# Altium PCB Board_Design.PcbDoc (part 3 of 3)
Units mil, origin at the board's own origin, x right, y up, seen from the top; angles counter-clockwise.
Board outline 5510 x 2520.05 mil, 4 copper layers (Top Layer, Power, Ground, Bottom Layer); 243 components, 205 nets, 933 pads, 499 vias.
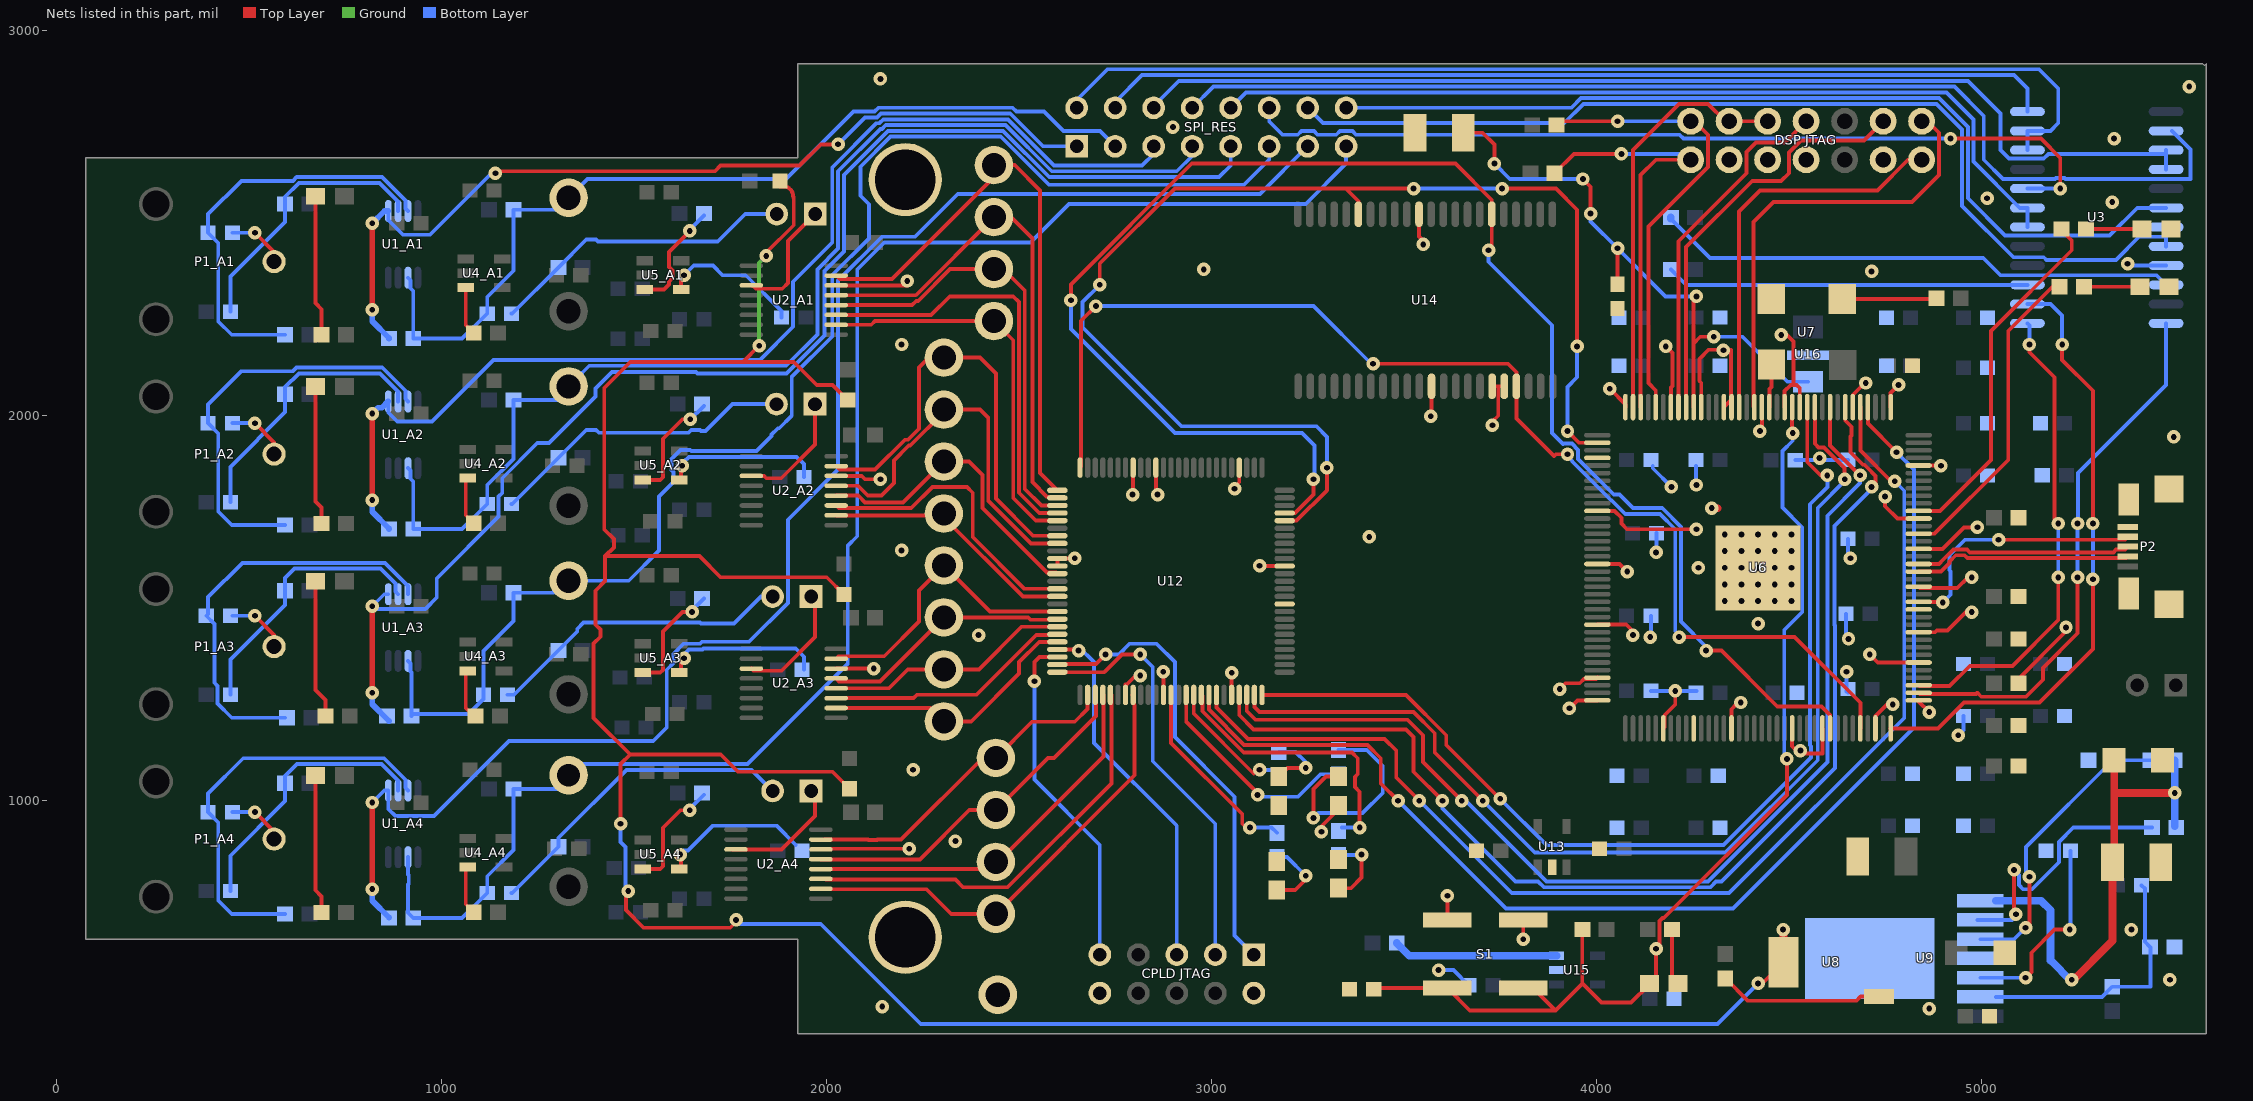
[diagram p5: the nets of this part, all layers, seen from the top]

## Via types
v1: diameter 35, hole 15, Top Layer to Bottom Layer, tented both sides, 473 vias
v2: diameter 35, hole 15, Top Layer to Bottom Layer, 25 vias
v3: diameter 35, hole 15, Top Layer to Bottom Layer, tented top, 1 vias

## Nets (pads, with @x,y where several pads share a name; then routed paths per layer and width w, separated by ;. In a path a pad name is that pad's centre, name@x,y a point inside that pad or via, vN(x,y) a via of type N, cw(c..) or ccw(c..) an arc to the next point about the centre after c; other vN are vias at no path point) (continued)
DGND: "CPLD JTAG.2" "CPLD JTAG.10" "DSP JTAG.4" "DSP JTAG.8" "DSP JTAG.10" "DSP JTAG.12" C9.2 C10.2 C11.2 C12.2 C13.2 C14.2 C15.2 C16.2 C17.2 C18.2 C19.2 C20.2 C21.2 C22.2 C23.2 C24.2 C25.2 C26.2 C27.2 C28.2 C29.2 C30.2 C31.2 C32.2 C33.2 C34.2 C35.2 C36.2 C37.2 C38.2 C39.2 C40.2 C41.2 C42.2 C43.2 C44.2 C45.2 C46.2 C47.2 C48.1 C51.2 C52.2 C53.2 C54.2 C55.2 C56.2 C57.2 C58.2 C59.2 C60.2 D2.1 D3.1 D5.1 D6.1 D7.1 D8.1 DGND.1 NT1_A1.2 NT1_A2.2 NT1_A3.2 NT1_A4.2 P2.5 P2.SHD pad.0 R21.2 R23.2 R28.1 R29.1 R30.1 R31.1 R32.1 R33.1 S1.1 S1.2 U2_A1.14 U2_A2.14 U2_A3.14 U2_A4.14 U3.9 U6.1 U6.6 U6.13 U6.15 U6.18 U6.22 U6.23 U6.26 U6.30 U6.36 U6.40 U6.47 U6.54 U6.62 U6.69 U6.72 U6.78 U6.82 U6.87 U6.95 U6.99 U6.106 U6.109 U6.114 U6.118 U6.124 U6.129 U6.133 U6.140 U6.145 U7.2 U8.5 U9.4 U9.8 U12.10 U12.11 U12.32 U12.37 U12.46 U12.60 U12.65 U12.79 U12.90 U12.93 U13.2 U14.12 U14.34 U14.39 U14.40 U15.2 U16.2 | length 13964.7
  Top Layer w10: v1(1465,940) 1465,1095 1490,1120 ; v1@1478.7,760 1478.7,716.3 1525,670 1749.79,670 v1@1766.3,686.51 ; 1784.12,2140.88 v1(1825,2181.76) ; v1(1843.57,2415) 1843.57,2423.57 1915,2495 1915,2559.37 ccw(c1879.37,2559.37) 1912.81,2571.68 ccw(c1889.49,2571.68) 1889.49,2595 NT1_A1.2@1879.37,2595 ; U2_A4.14@2000,875 v1(2215,875) ; U2_A3.14@2025.24,1343.09 v1(2122.87,1343.09) ; U2_A2.14@2025.24,1843.6 2091.61,1843.6 2100.21,1835 v1(2140,1835) ; U2_A1.14@2025.24,2338.6 v1@2210,2338.6 ; NT1_A3.2@2045,1535.84 2000.63,1580.21 1725,1580.21 1670,1635.21 1425,1635.21 ; NT1_A2.2@2055,2040.84 2015.63,2080.21 1974.79,2080.21 1915,2140 1490,2140 1422.5,2072.5 1422.5,1704.53 1447.5,1679.53 1447.5,1657.71 1425,1635.21 ; NT1_A4.2@2060,1030.84 2015.63,1075.21 1770,1075.21 1725.21,1120 1490,1120 ; U12.11@2599.72,1609.37 U12.10@2599.72,1629.06 v1@2644.06,1629.06 ; U12.32@2776.89,1274.72 2776.89,1302.5 2780.78,1302.5 2803.28,1325 v1(2815,1325) ; v1@2796.57,1796.57 U12.93@2796.57,1865.28 ; v1@2855.63,1800.63 U12.90@2855.63,1865.28 ; U12.37@2875.32,1274.72 v1@2875.32,1339.68 ; U12.46@3052.48,1274.72 v1(3052.48,1332.52) ; v1(3060,1810) 3060,1815 3072.17,1827.17 U12.79@3072.17,1865.28 ; v1@3125.63,1609.37 U12.65@3190.28,1609.37 ; v1(3285.78,919.22) 3285.78,921.79 3280,927.57 3330,977.57 D7.1@3330,987.6 ; U14.12@3539.25,2523.5 3539.25,2465.75 3550,2455 v1(3550,2445) ; v1(3570,1998.43) 3571.75,2000.18 U14.34@3571.75,2076.5 ; S1.2@3613.15,690.21 v1(3613.15,753.15) ; U14.39@3729.23,2076.5 3745,2076.5 ; v1(3730,1975) 3730,1985 3745,2000 3745,2076.5 ; U14.40@3760.72,2076.5 3745,2076.5 ; v1(3810,640.21) S1.1@3810,690.21 ; v1(3905,1290) 3920,1305 3956.76,1305 3967.55,1315.79 3998.9,1315.79 U6.69@4002.68,1319.57 ; v1(3930,1240) 3950.51,1260.51 U6.72@4002.68,1260.51 ; U6.62@4002.68,1457.36 4077.64,1457.36 4095,1440 v1(4095,1430) ; U6.54@4002.68,1614.84 4060.16,1614.84 v1(4080,1595) ; U6.47@4002.68,1752.64 4047.36,1752.64 4065,1735 4065,1720 4080,1705 v1(4260,1705) ; v1(4035,2070) 4075.51,2029.49 U6.36@4075.51,2022.32 ; U6.78@4173.94,1187.68 4177.72,1191.46 4177.72,1222.81 4205,1250.09 v1(4205,1285) ; v1(4180,2180) 4197.5,2162.5 4197.5,2077.5 4193.62,2073.62 U6.30@4193.62,2022.32 ; U6.26@4272.36,2022.32 4272.36,2085.82 4267.5,2090.68 4267.5,2147.5 4291.42,2171.42 4350,2171.42 4350,2040.91 U6.23@4331.42,2022.32 ; U6.87@4351.1,1187.68 4351.1,1237.5 v1@4363.05,1249.45 ; v1(4420,525.21) 4430.98,525.21 U8.5@4485.98,580.21 ; v1@4429.84,1975.16 U6.18@4429.84,2022.32 ; v1(4480,2210) 4495,2210 4512.5,2192.5 4512.5,2080 ; U6.15@4488.9,2022.32 4488.9,2063.9 4505,2080 4512.5,2080 ; U6.95@4508.58,1187.68 4508.58,1141.42 4527.68,1122.32 4587.32,1122.32 U6.99@4587.32,1187.68 ; U6.13@4528.27,2022.32 4528.27,2071.73 4520,2080 4512.5,2080 ; U6.6@4666.06,2022.32 4666.06,2053.92 v1@4695.76,2083.62 ; v1(4710,1380) 4731.06,1358.94 U6.114@4837.32,1358.94 ; U6.106@4725.12,1187.68 4725.12,1220.12 4755,1250 v1(4770,1250) ; v1(4750,1790) 4750,1765 4782.05,1732.95 U6.133@4837.32,1732.95 ; U6.1@4764.49,2022.32 4764.49,2059.49 v1(4785,2080) ; U6.109@4837.32,1260.51 4837.32,1257.68 v1(4865,1230) ; U6.118@4837.32,1437.68 4880.25,1437.68 4884.94,1442.36 4912.26,1442.36 4959.9,1490 v1(4975,1490) ; U6.124@4837.32,1555.79 4840.61,1552.5 4937.5,1552.5 4965,1580 v1(4975,1580) ; U6.129@4837.32,1654.21 4899.21,1654.21 4955,1710 v1(4990,1710) ; U6.140@4837.32,1870.75 v1@4895.75,1870.75 ; R30.1@5096.5,1305 5096.5,1316.5 5220,1440 v1(5220,1450) ; 1425,1635.21 1425,1570.21 1400,1545.21 1400,1457.03 1412.5,1444.53 1412.5,1425.89 1395,1408.39 1395,1215 1490,1120
  Top Layer w20: v1(4300,1760) v1@4315,1760 ; U8.5@4485.98,580.21 v1@4485.98,665.21
  Ground w10: v1(1825,2181.76) 1825,2396.43 v1(1843.57,2415)
  Ground w20: v2(4333.39,1561.69) v2(4376.69,1561.69) ; v2(4333.39,1605) v2(4376.69,1605) ; v2(4333.39,1648.31) v2(4376.69,1648.31) ; v2(4376.69,1518.39) v2(4376.69,1561.69) ; v2(4376.69,1691.61) v2(4376.69,1648.31) ; v2(4420,1518.39) v2(4420,1561.69) ; v2(4420,1605) v2(4376.69,1605) ; v2(4420,1691.61) v2(4420,1648.31) ; v2(4463.31,1518.39) v2(4463.31,1561.69) ; v2(4463.31,1691.61) v2(4463.31,1648.31) ; v2(4506.61,1561.69) v2(4463.31,1561.69) ; v2(4506.61,1605) v2(4463.31,1605) v2(4463.31,1648.31) ; v2(4506.61,1648.31) v2(4463.31,1648.31) ; v2(4376.69,1561.69) v2(4376.69,1605) ; v2(4376.69,1561.69) v2(4420,1561.69) ; v2(4376.69,1605) v2(4376.69,1648.31) ; v2(4376.69,1648.31) v2(4420,1648.31) ; v2(4420,1561.69) v2(4463.31,1561.69) ; v2(4420,1648.31) v2(4463.31,1648.31)
  Bottom Layer w10: v1(1465,940) 1465,892.5 1478.19,879.31 1478.19,763.19 1480,765 v1(1485,765) ; v1@1766.3,686.51 1772.81,680 1985,680 2244.79,420.21 4315,420.21 v1(4420,525.21) ; v1@1843.57,2413.57 v1(1843.57,2415) ; v1(3590,560) 3628.5,560 C57.2@3668.5,520 ; C20.2@4141.5,1285.21 C21.2@4260,1285.21 ; v1@4141.5,1426.5 C19.2@4141.5,1480.21 ; C17.2@4146.5,1870 4146.5,1863.5 v1(4195,1815) ; v1@4156.5,1646.5 C18.2@4156.5,1695.21 ; v1@4258.5,1821.5 C16.2@4258.5,1870 ; C12.2@4516.5,1884.79 v1@4585,1884.79 ; v1@4575.21,1884.79 4580,1880 4580,1880.21 4585,1885.21 C11.2@4653.5,1885.21 ; C14.2@4648.5,1485.21 4648.5,1426.5 v1(4655,1420) ; v1(4650,1335) 4650,1283.72 C15.2@4653.5,1280.21 ; C13.2@4653.5,1680.21 4653.5,1636.5 v1(4660,1630) ; v1(4940,1170) 4953.5,1183.5 C28.2@4953.5,1220 ; v1@5385,2390 U3.9@5480.12,2390
  other v1: 4865,460 2145,465 5490,535 4485,665.21 5390,665 1765,690 2335,895 2225,1080 4530,1130 4375,1255 2875,1335 4140,1425 2395,1430 4420,1460 4265,1605 3125,1610 2645,1630 4155,1645 2195,1650 3410,1685 2795,1795 2860,1795 4260,1820 4895,1870 4580,1890 5500,1945 4425,1960 4700,2085 4330,2170 2195,2185 2210,2350 4715,2375 2980,2380 5380,2395 5340,2555 5015,2565 5345,2720 2900,2750 5540,2855 2140,2875
  other v2: 4333.39,1518.39 4506.61,1518.39 4333.39,1691.61 4506.61,1691.61
DSP_CLK: U6.17 U7.3 | length 112.9
  Top Layer w10: U6.17@4449.53,2022.32 4449.53,2069.53 4455,2075 U7.3@4455,2133
DSP_CTRL1: U6.12 U12.50 | length 2657.6
  Top Layer w10: U12.50@3131.22,1274.72 3505.28,1274.72 3610,1170 3610,1145 v1(3750,1005) ; U6.12@4547.95,2022.32 4547.95,1880.01 4582.97,1845 v1(4600,1845)
  Bottom Layer w10: v1(3750,1005) 3870,885 4330,885 4557.5,1112.5 4557.5,1141.39 4555,1143.89 4555,1770 4600,1815 v1(4600,1845)
DSP_CTRL2: U6.11 U12.49 | length 2766.7
  Top Layer w10: U12.49@3111.54,1274.72 3111.54,1243.46 3125,1230 3525,1230 3580,1175 3580,1125 v1(3705,1000) ; U6.11@4567.64,2022.32 4567.64,1927.36 4577.5,1917.5 4591.39,1917.5 4645,1863.89 v1(4645,1835)
  Bottom Layer w10: v1(3705,1000) 3840,865 4335,865 4575,1105 4575,1760 4645,1830 v1(4645,1835)
DSP_CTRL3: U6.9 U12.48 | length 2892.8
  Top Layer w10: U12.48@3091.85,1274.72 3091.85,1233.15 3115,1210 3510,1210 3550,1170 3550,1100 v1(3650,1000) ; U6.9@4607.01,2022.32 4607.01,1923.1 v1(4685,1845.1)
  Bottom Layer w10: v1(3650,1000) 3660.39,1000 3822.15,838.24 3822.15,837.85 3870,790 4290,790 4600,1100 4600,1740 4685,1825 v1(4685,1845.1)
DSP_CTRL4: U6.7 U12.47 | length 3004.9
  Top Layer w10: U12.47@3072.17,1274.72 3072.17,1222.17 3109.33,1185 3505,1185 3525,1165 3525,1075 v1(3600,1000) v1@3605,995 ; U6.7@4646.38,2022.32 4646.38,1987.5 4662.5,1971.39 4662.5,1948.61 4660,1946.11 4660,1905 4692.4,1872.6 4696.39,1872.6 4715.93,1853.06 4715.93,1852.4 4725,1843.33 4725,1823.99 4716.01,1815 v1(4715,1815)
  Bottom Layer w10: v1(3600,1000) 3600,980 3790,790 3848.79,790 3863.79,775 4296.21,775 4311.21,790 4325,790 4620,1085 4620,1455.33 4618.82,1456.51 4618.82,1713.82 4715,1810 v1(4715,1815)
DSP_CTRL5: U6.5 U12.44 | length 3113.4
  Top Layer w10: U12.44@3013.11,1274.72 3013.11,1241.89 3095,1160 3450,1160 3480,1130 3480,1060 v1(3540,1000) v1@3545,995 ; U6.5@4685.75,2022.32 4685.75,1909.25 v1@4770,1825
  Bottom Layer w10: v1(3540,1000) 3780,760 4345,760 4800,1215 4800,1805 v1(4775,1830)
DSP_CTRL6: U6.4 U12.43 | length 3198.3
  Top Layer w10: U12.43@2993.43,1274.72 2993.43,1236.57 3085,1145 3405,1145 3440,1110 3440,1045 v1(3485,1000) ; U6.4@4705.43,2022.32 4705.43,1979.57 v1(4780,1905)
  Bottom Layer w10: v1(3485,1000) 3765,720 4355,720 4825,1190 4825,1860 v1(4780,1905)
E\M\_\0\E\: U6.104 U12.100 U14.41 | length 3150.8
  Top Layer w10: U12.100@2658.78,1865.28 2661.57,1868.07 2661.57,2246.57 v1(2700,2285) ; v1(3420,2135) 3770,2135 3792.22,2112.78 U14.41@3792.22,2076.5 3792.22,1992.78 3890,1895 3895,1900 v1(3925,1900) ; v1(4215,1425) 4515,1425 4685.75,1254.25 U6.104@4685.75,1187.68
  Bottom Layer w10: v1(2700,2285) 3265,2285 3415,2135 v1(3420,2135) ; v1(3925,1900) 3925,1895 3937.5,1882.5 3937.5,1881.29 4038.79,1780 4040,1780 4075,1745 4165,1745 4205,1705 4205,1440 v1@4217.5,1427.5
E\M\_\C\S\2\: U6.100 U12.72 U14.6 | length 4258.5
  Top Layer w10: v1(2635,2300) 2635,2341.21 2948.79,2655 3633.94,2655 3728.23,2560.71 U14.6@3728.23,2523.5 v1@3728.23,2430 ; U12.72@3190.28,1747.17 3217.17,1747.17 3265,1795 v1(3265,1835) ; v1(4285,1390) 4325,1390 4470,1245 4585,1245 4607.01,1222.99 U6.100@4607.01,1187.68
  Bottom Layer w10: v1(2635,2300) 2635,2225 2905,1955 3235,1955 3267.5,1922.5 3267.5,1837.5 v1(3265,1835) ; v1(3720,2430) 3720,2400 3885,2235 3885,1955 3913.05,1926.95 3913.61,1927.5 3936.39,1927.5 3952.5,1911.39 3952.5,1887.5 4045,1795 4060,1795 4095,1760 4171.21,1760 4220,1711.21 4220,1465 4285,1400 v1(4285,1390)
E\M\_\W\E\: U6.38 U12.71 U14.17 | length 3317
  Top Layer w10: v1(2710,2340) 2710,2395 2905,2590 3348.94,2590 ; U12.71@3190.28,1727.48 3221.27,1727.48 3300,1806.21 v1(3300,1865) ; U14.17@3381.77,2523.5 3381.77,2557.17 3348.94,2590 ; v1(3525,2590) 3348.94,2590 ; v1(3755,2590) 3895,2590 3950,2535 v1(3950,2180) ; v1(3925,1960) 3955.2,1929.8 U6.38@4002.68,1929.8
  Bottom Layer w10: v1(2710,2340) 2665,2295 2665,2230 2922.5,1972.5 3272.5,1972.5 3300,1945 v1(3300,1865) ; v1(3525,2590) v1(3755,2590) ; v1(3925,1960) 3925,2075 3950,2100 v1(3950,2180)
E\N\A\_\T\B\: U6.121
EMU0: "DSP JTAG.13" R25.2 U6.32 | length 1192
  Top Layer w10: R25.2@3896.5,2755 3906.5,2765 v1(4055,2765) ; U6.32@4154.25,2022.32 4154.25,2065.75 4135,2085 4135,2491.36 4290,2646.36 4290,2730 4255,2765 4245,2765
  Bottom Layer w10: v1(4055,2765) 4245,2765
EMU1: "DSP JTAG.14" R26.1 U6.34 | length 1129.7
  Top Layer w10: R26.1@3891.5,2630 3941.5,2680 v1(4065,2680) ; U6.34@4114.88,2022.32 4115,2022.44 4115,2625 4155,2665 4245,2665
  Bottom Layer w10: v1(4065,2680) 4230,2680 4245,2665
EOC_1: U2_A1.11 U12.4 | length 1117.5
  Top Layer w10: U2_A1.11@2025.24,2261.83 2271.83,2261.83 2320,2310 2485,2310 2500,2295 2500,1800 2552.83,1747.17 U12.4@2599.72,1747.17
EOC_2: U2_A2.11 U12.14 | length 777.1
  Top Layer w10: U2_A2.11@2025.24,1766.83 2032.06,1760 2220,1760 2275,1815 2365,1815 2380,1800 2380,1685 2514.68,1550.32 U12.14@2599.72,1550.32
EOC_3: U2_A3.11 U12.20 | length 642.3
  Top Layer w10: U2_A3.11@2025.24,1266.32 2226.32,1266.32 2235,1275 2390,1275 2545,1430 U12.20@2599.72,1430
EOC_4: U2_A4.11 U12.30 | length 1091
  Top Layer w10: U2_A4.11@1998.85,795 2335,795 2355,775 2470,775 2740,1045 U12.30@2740,1274.72
NetC2_A1_1: 
NetC2_A1_2: C2_A1.2 R1_A1.2 U1_A1.2 | length 711.1
  Bottom Layer w10: C2_A1.2@451.5,2270.21 451.5,2361.71 593.5,2503.72 R1_A1.2@593.5,2550.21 593.5,2568.72 629.79,2605 839.17,2605 887.2,2556.97 U1_A1.2@887.2,2531.83
NetC2_A2_1: 
NetC2_A2_2: C2_A2.2 R1_A2.2 U1_A2.2 | length 710.7
  Bottom Layer w10: C2_A2.2@451.5,1775.73 451.5,1867.22 593.5,2009.23 R1_A2.2@593.5,2055.73 593.5,2074.23 629.27,2110 839.69,2110 887.2,2062.48 U1_A2.2@887.2,2037.34
NetC2_A3_1: 
NetC2_A3_2: C2_A3.2 R1_A3.2 U1_A3.2 | length 705.6
  Bottom Layer w10: C2_A3.2@451.5,1275.21 451.5,1366.5 593.5,1508.5 R1_A3.2@593.5,1545.21 593.5,1578.72 617.5,1602.71 841.57,1602.71 880.47,1563.81 880.47,1543.05 U1_A3.2@887.2,1536.32
NetC2_A4_1: 
NetC2_A4_2: C2_A4.2 R1_A4.2 U1_A4.2 | length 706.9
  Bottom Layer w10: C2_A4.2@451.5,765.21 451.5,856.71 593.5,998.72 R1_A4.2@593.5,1045.21 593.5,1063.72 624.79,1095 844.17,1095 887.2,1051.97 U1_A4.2@887.2,1026.83
NetC3_A1_1: C3_A1.1 P1_A1.1 | length 154.2
  Top Layer w10: v1(515,2475.21) 565,2425.21 P1_A1.1@565,2400.21
  Bottom Layer w10: C3_A1.1@456.5,2475.21 v1(515,2475.21)
NetC3_A1_2: C3_A1.2 R2_A1.1 U1_A1.3 | length 1085.3
  Bottom Layer w10: R2_A1.1@593.5,2210.21 455,2210.21 420,2245.21 420,2448.72 C3_A1.2@393.5,2475.21 393.5,2523.72 480,2610.21 613.79,2610.21 623.57,2620 845.39,2620 906.06,2559.32 906.06,2538.56 U1_A1.3@912.8,2531.83
NetC3_A2_1: C3_A2.1 P1_A2.1 | length 154.2
  Top Layer w10: v1(515,1980.73) 565,1930.73 P1_A2.1@565,1905.73
  Bottom Layer w10: C3_A2.1@456.5,1980.73 v1(515,1980.73)
NetC3_A2_2: C3_A2.2 R2_A2.1 U1_A2.3 | length 1084.9
  Bottom Layer w10: R2_A2.1@593.5,1715.73 455,1715.73 420,1750.73 420,1954.23 C3_A2.2@393.5,1980.73 393.5,2029.23 480,2115.73 613.79,2115.73 623.06,2125 845.9,2125 906.06,2064.84 906.06,2044.07 U1_A2.3@912.8,2037.34
NetC3_A3_1: C3_A3.1 P1_A3.1 | length 159.2
  Top Layer w10: v1(515,1480.21) 565,1430.21 P1_A3.1@565,1400.21
  Bottom Layer w10: C3_A3.1@456.5,1480.21 v1(515,1480.21)
NetC3_A3_2: C3_A3.2 R2_A3.1 U1_A3.3 | length 1084.1
  Bottom Layer w10: R2_A3.1@593.5,1215.21 455,1215.21 418.02,1252.2 418.19,1252.37 418.19,1298.06 410,1306.25 410,1458.72 C3_A3.2@388.5,1480.21 393.5,1485.21 393.5,1528.72 482.5,1617.71 852.67,1617.71 912.8,1557.59 U1_A3.3@912.8,1536.32
NetC3_A4_1: C3_A4.1 P1_A4.1 | length 154.2
  Top Layer w10: v1(515,970.21) 565,920.21 P1_A4.1@565,895.21
  Bottom Layer w10: C3_A4.1@456.5,970.21 v1(515,970.21)
NetC3_A4_2: C3_A4.2 R2_A4.1 U1_A4.3 | length 1081.2
  Bottom Layer w10: R2_A4.1@593.5,705.21 455,705.21 420,740.21 420,943.72 C3_A4.2@393.5,970.21 393.5,1018.72 484.79,1110 850.39,1110 906.06,1054.32 906.06,1033.56 U1_A4.3@912.8,1026.83
NetC4_A1_2: C4_A1.2 HP_A1.2 R3_A1.2 | length 800.7
  Bottom Layer w10: C4_A1.2@1181.5,2265.21 1183.5,2265.21 R3_A1.2@1303.5,2385.21 1376,2457.71 1401.39,2457.71 1406.6,2452.5 1717.5,2452.5 1788.9,2523.9 HP_A1.2@1870.73,2523.9
NetC4_A2_2: C4_A2.2 HP_A2.2 R3_A2.2 | length 794.5
  Bottom Layer w10: C4_A2.2@1181.5,1770.73 1183.5,1770.73 R3_A2.2@1303.5,1890.73 1376,1963.23 1401.39,1963.23 1408.89,1955.73 1641.11,1955.73 1648.61,1963.23 1671.39,1963.23 1673.89,1960.73 1685.73,1960.73 1755.73,2030.73 HP_A2.2@1860,2030.73
NetC4_A3_2: C4_A3.2 HP_A3.2 R3_A3.2 | length 800.4
  Bottom Layer w10: C4_A3.2@1171.5,1275.21 1188.5,1275.21 1352.5,1439.21 1352.5,1446.39 1368.61,1462.5 1648.4,1462.5 1648.61,1462.71 1671.39,1462.71 1673.89,1460.21 1760,1460.21 1830,1530.21 HP_A3.2@1860,1530.21
NetC4_A4_2: C4_A4.2 HP_A4.2 R3_A4.2 | length 847.3
  Bottom Layer w10: C4_A4.2@1181.5,760.21 1183.5,760.21 R3_A4.2@1303.5,880.21 1303.5,903.5 1480,1080 1805.21,1080 HP_A4.2@1860,1025.21
NetC8_A1_2: C8_A1.2 U5_A1.4 | length 368.8
  Top Layer w10: U5_A1.4@1622.24,2327.81 1622.24,2362.46 1624.79,2365 v1(1630,2365)
  Bottom Layer w10: v1@1630,2375.21 1640.21,2375.21 1655.21,2390.21 1705,2390.21 1730.21,2365 1790.21,2365 1883.5,2271.71 C8_A1.2@1883.5,2255.21
NetC8_A2_2: C8_A2.2 U5_A2.4 | length 396.3
  Top Layer w10: U5_A2.4@1622.24,1833.32 1622.24,1867.97 1624.27,1870 v1(1625,1870)
  Bottom Layer w10: v1@1630,1880.73 1642.5,1893.23 1922.5,1893.23 1941.5,1874.23 C8_A2.2@1941.5,1840.73
NetC8_A3_2: C8_A3.2 U5_A3.4 | length 403.6
  Top Layer w10: U5_A3.4@1622.24,1332.81 1622.24,1367.46 1624.79,1370 v1(1630,1370)
  Bottom Layer w10: v1@1630,1380.21 1642.5,1392.71 1677.6,1392.71 1680.1,1395.21 1920,1395.21 1941.5,1373.72 C8_A3.2@1941.5,1340.21
NetC8_A4_2: C8_A4.2 U5_A4.4 | length 389.8
  Top Layer w10: v1(1620,860) 1622.24,857.76 U5_A4.4@1622.24,822.81
  Bottom Layer w10: v1(1620,860) 1630.21,870.21 1640.21,870.21 1705,935 1870.21,935 C8_A4.2@1920,885.21
NetC48_2: C48.2 U9.5 | length 519.1
  Top Layer w10: v1(5115,540) 5130,555 5130,605 5190,665 v1(5230,665)
  Bottom Layer w10: U9.5@4997.6,540 v1(5115,540) ; v1(5230,665) 5231.5,666.5 C48.2@5231.5,870
NetC49_1: C49.1 R22.2 R23.1 U9.6 | length 686.6
  Bottom Layer w10: U9.6@5037.6,490 5313.5,490 R22.2@5340,516.5 5440,516.5 5440,618.5 R23.1@5438.5,620 5425,633.5 5425,771.5 C49.1@5416.5,780
NetD1_A1_2: D1_A1.2 R7_A1.2 | length 366.6
  Top Layer w10: D1_A1.2@672.6,2570.21 672.6,2292.62 688.5,2276.71 R7_A1.2@688.5,2210.21
NetD1_A2_2: D1_A2.2 R7_A2.2 | length 362.1
  Top Layer w10: D1_A2.2@672.6,2075.73 672.6,1777.62 688.5,1761.71 R7_A2.2@688.5,1720.21
NetD1_A3_2: D1_A3.2 R7_A3.2 | length 360.7
  Top Layer w10: D1_A3.2@672.6,1570.21 672.6,1287.62 698.5,1261.71 R7_A3.2@698.5,1220.21
NetD1_A4_2: D1_A4.2 R7_A4.2 | length 362.1
  Top Layer w10: D1_A4.2@672.6,1065.21 672.6,767.1 688.5,751.2 R7_A4.2@688.5,709.7
NetD2_2: D2.2 R34.1 | length 146.1
  Top Layer w10: R34.1@5271.5,2485 D2.2@5417.6,2485
NetD3_2: D3.2 R35.2 | length 189.9
  Top Layer w10: D3.2@3330,772.6 3362.6,772.6 3390,800 v1(3390,860)
  Bottom Layer w10: R35.2@3330,858.5 v1@3388.5,858.5
NetD4_2: D4.2 R12.2 | length 146.6
  Top Layer w10: R12.2@4196.5,665.21 4196.5,541.12 D4.2@4212.4,525.21
NetD5_2: D5.2 R24.1 | length 146.1
  Top Layer w10: R24.1@5266.5,2335 D5.2@5412.6,2335
NetD6_2: D6.2 R36.2 | length 175.3
  Top Layer w10: D6.2@3175,1062.4 3197.6,1085 v1(3245,1085)
  Bottom Layer w10: R36.2@3175,1126.5 3218.5,1126.5 3245,1100 v1(3245,1085)
NetD7_2: D7.2 R37.2 | length 562.5
  Top Layer w10: v1(3265,955) 3265,1030 3297.4,1062.4 D7.2@3330,1062.4
  Bottom Layer w10: v1(3265,955) 3277.62,967.62 3392.62,967.62 3445,1020 3445,1090 3403.5,1131.5 R37.2@3330,1131.5
NetD8_2: D8.2 R38.1 | length 191.4
  Top Layer w10: D8.2@3170,767.6 3217.6,767.6 3245,795 v1(3245,805)
  Bottom Layer w10: R38.1@3170,853.5 3196.5,853.5 v1(3245,805)
NetHP_A1_1: HP_A1.1 U2_A1.3 | length 312.9